# Altium PCB RevA2.PcbDoc (part 2 of 6)
Units mm, origin at the board's own origin, x right, y up, seen from the top; angles counter-clockwise.
Board outline 173 x 171 mm, 2 copper layers (Top Layer, Top, Bottom Layer, Bottom); 282 components, 411 nets, 1735 pads, 1978 vias.
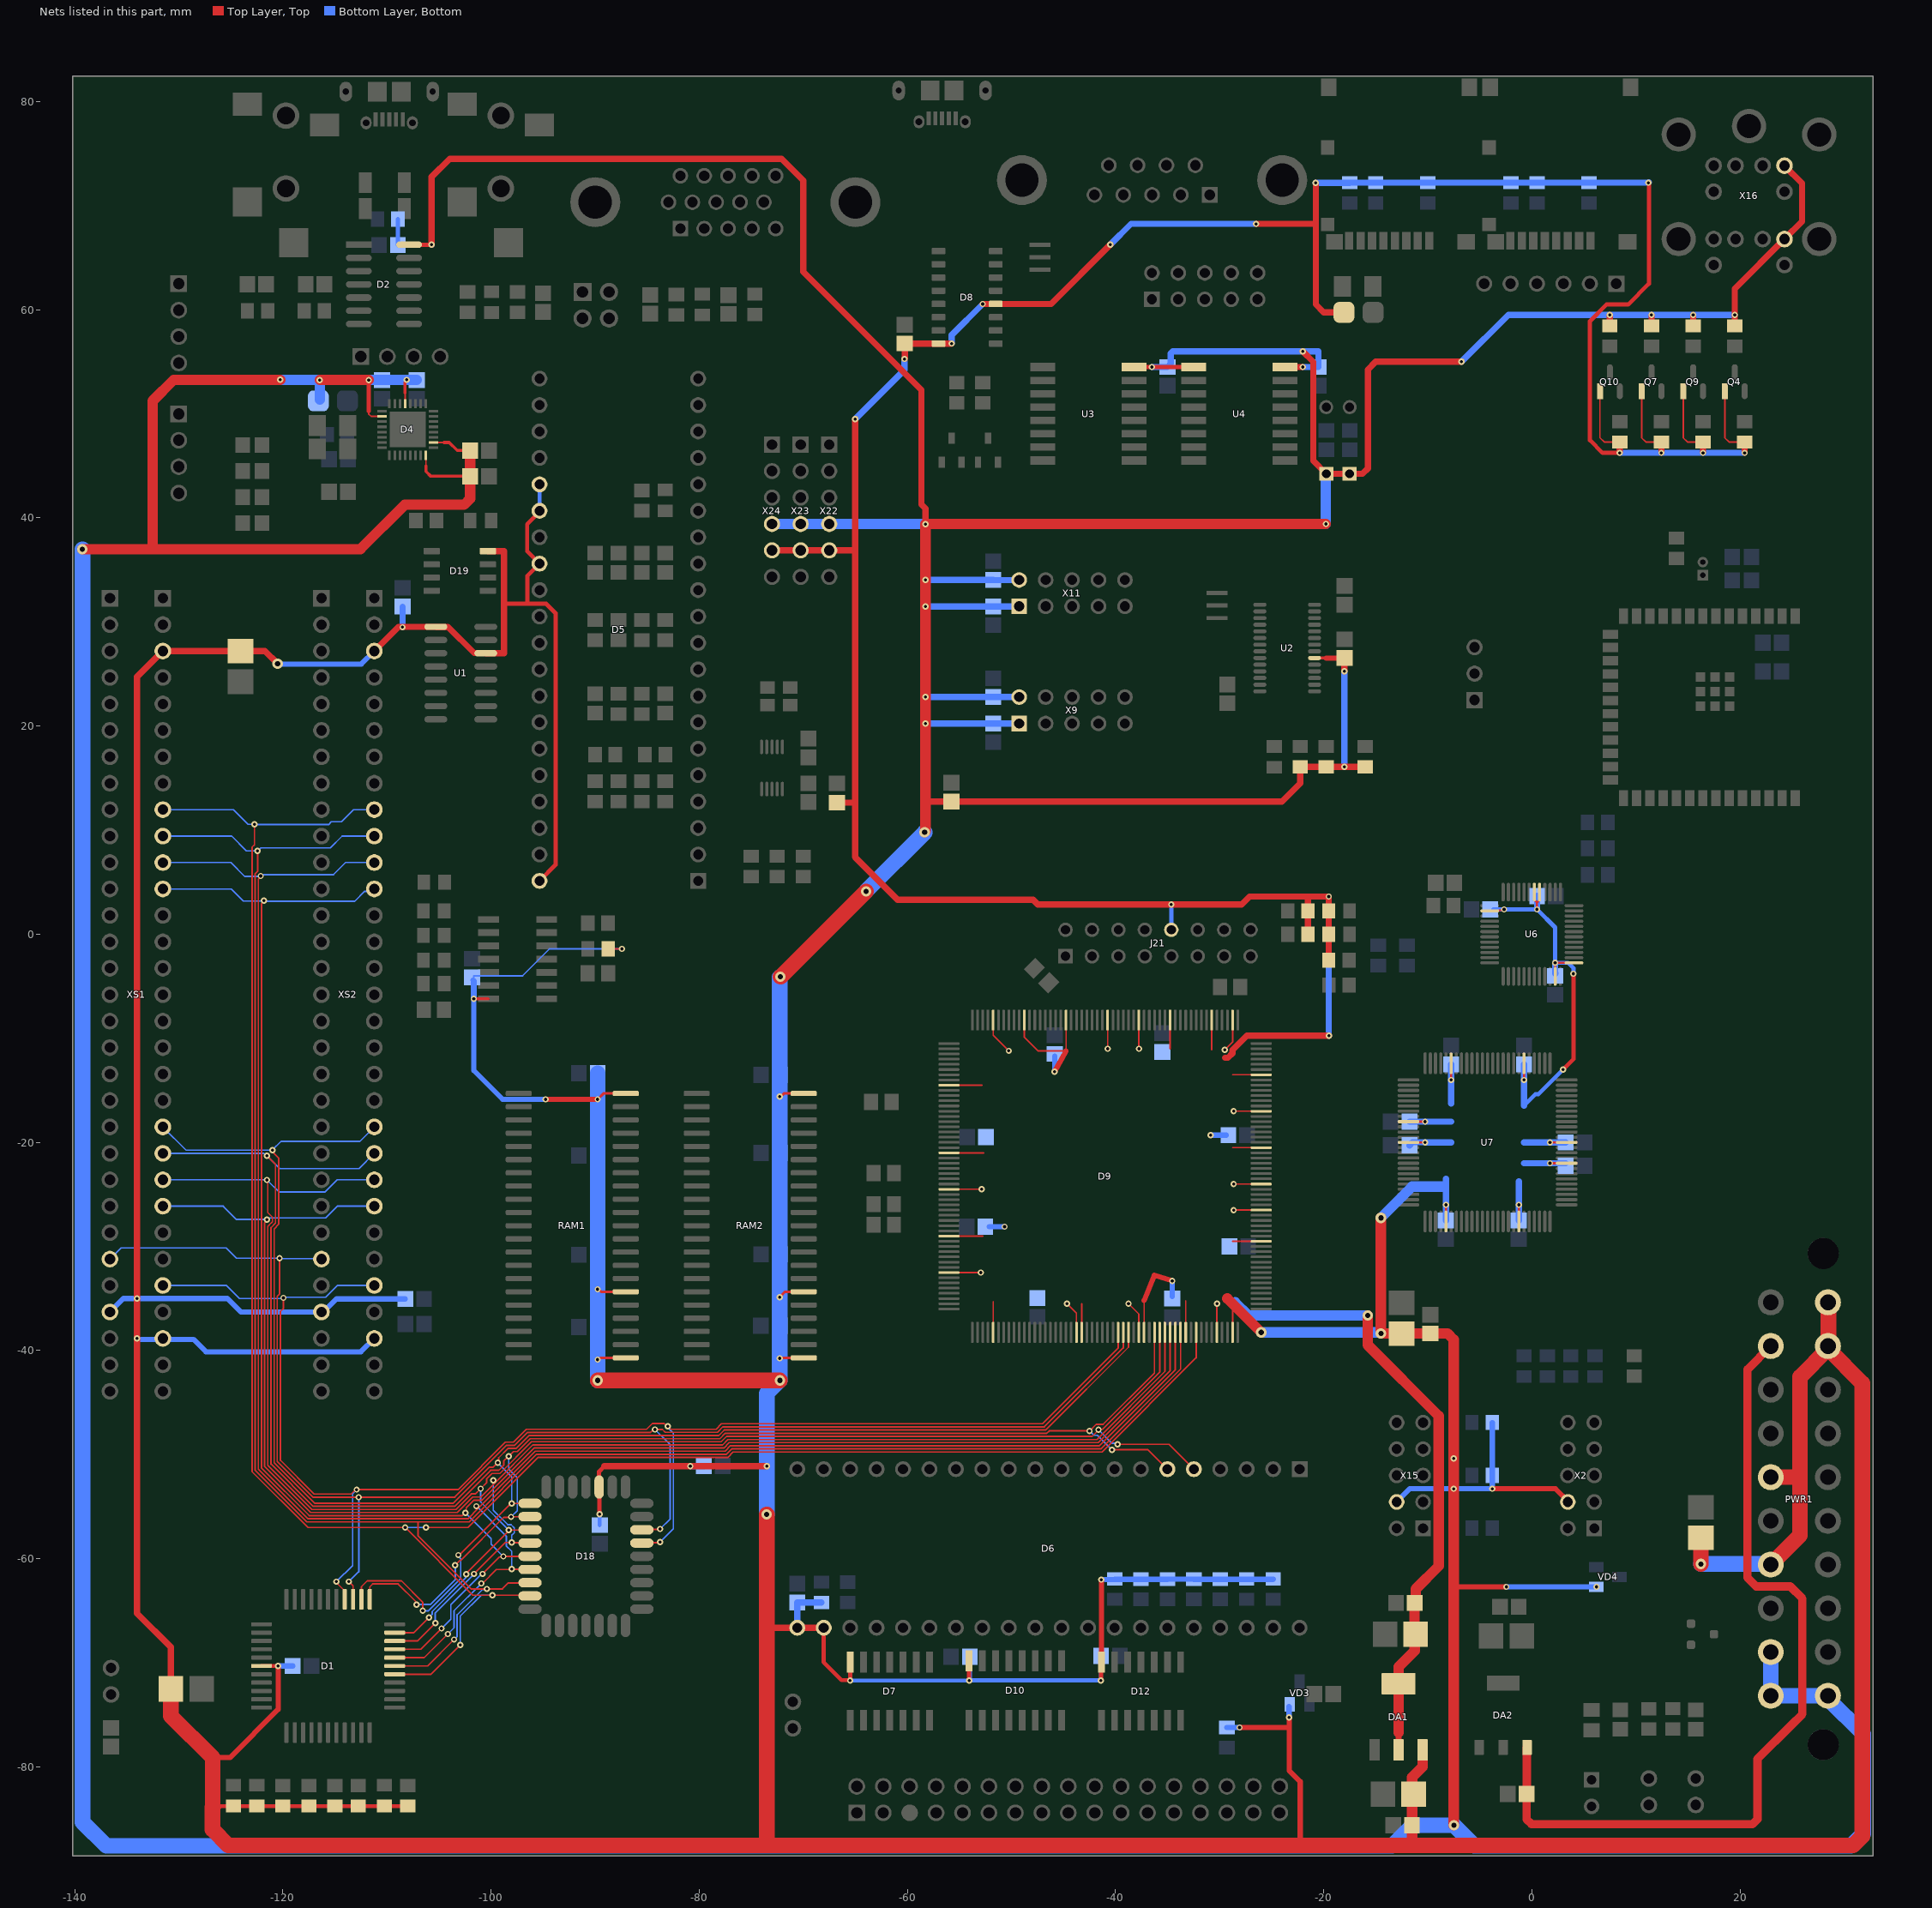
[diagram p2: the nets of this part, all layers, seen from the top]

## Footprints (in the part's own frame and the unit in brackets; to place one, negate y for a bottom-side part, rotate by r counter-clockwise, add the part's x,y. Pads: shape width x height; smd on the part's side, far side on the other; paste and mask are expansions set on the pad) (continued)
QFP44X8 [mm]
  rrect50% 2x0.4 smd: 1(0,0) 2(0,-0.8) 3(0,-1.6) 4(0,-2.4) 5(0,-3.2) 6(0,-4) 7(0,-4.8) 8(0,-5.6) 9(0,-6.4) 10(0,-7.2) 11(0,-8) 23(12.8,-8) 24(12.8,-7.2) 25(12.8,-6.4) 26(12.8,-5.6) 27(12.8,-4.8) 28(12.8,-4) 29(12.8,-3.2) 30(12.8,-2.4) 31(12.8,-1.6) 32(12.8,-0.8) 33(12.8,0)
  rrect50% 0.4x2 smd: 12(2.4,-10.4) 13(3.2,-10.4) 14(4,-10.4) 15(4.8,-10.4) 16(5.6,-10.4) 17(6.4,-10.4) 18(7.2,-10.4) 19(8,-10.4) 20(8.8,-10.4) 21(9.6,-10.4) 22(10.4,-10.4) 34(10.4,2.4) 35(9.6,2.4) 36(8.8,2.4) 37(8,2.4) 38(7.2,2.4) 39(6.4,2.4) 40(5.6,2.4) 41(4.8,2.4) 42(4,2.4) 43(3.2,2.4) 44(2.4,2.4)
  silkscreen extent 1.6,-8.8 11.2,0.8, body extent 0.4,-10 12.4,2, height 1.08
SJ-3524-SMT-TR [mm]
  rect 2.2x2.8 smd: 1(2.4,-6.7) 3(4.4,0.7)
  rect 2.8x2.8 smd: 2(11.8,-6.7) 4(15.7,-2.25)
  round 2.55 hole 1.7: 5(3.5,-3) 6(10.5,-3)
  silkscreen extent -2.5,-7.83 14.5,0, body extent -2.49,-7.5 16.51,1.5, height 5.13
SLAB-MSOP-10_L [mm] "SOP, 10-Leads, Body 3x3mm, Pitch 0.5mm, IPC High Density"
  oval 1.4x0.3 smd: 1(-2.025,1) 2(-2.025,0.5) 3(-2.025,0) 4(-2.025,-0.5) 5(-2.025,-1) 6(2.025,-1) 7(2.025,-0.5) 8(2.025,0) 9(2.025,0.5) 10(2.025,1)
  silkscreen extent -2.15,-1.5 0.92,1.83, body extent -1.5,-1.5 1.5,1.5, height 1.1
SLOT62_ZXSLOT(Primary) [mm]
  rect 1.6x1.6 hole 1: A1(0,0) B1(-5.08,0)
  round 1.6 hole 1: A2(0,-2.54) A3(0,-5.08) A4(0,-7.62) A5(0,-10.16) A6(0,-12.7) A7(0,-15.24) A8(0,-17.78) A9(0,-20.32) A10(0,-22.86) A11(0,-25.4) A12(0,-27.94) A13(0,-30.48) A14(0,-33.02) A15(0,-35.56) A16(0,-38.1) A17(0,-40.64) A18(0,-43.18) A19(0,-45.72) A20(0,-48.26) A21(0,-50.8) A22(0,-53.34) A23(0,-55.88) A24(0,-58.42) A25(0,-60.96) A26(0,-63.5) A27(0,-66.04) A28(0,-68.58) A29(0,-71.12) A30(0,-73.66) A31(0,-76.2) B2(-5.08,-2.54) B3(-5.08,-5.08) B4(-5.08,-7.62) B5(-5.08,-10.16) B6(-5.08,-12.7) B7(-5.08,-15.24) B8(-5.08,-17.78) B9(-5.08,-20.32) B10(-5.08,-22.86) B11(-5.08,-25.4) B12(-5.08,-27.94) B13(-5.08,-30.48) B14(-5.08,-33.02) B15(-5.08,-35.56) B16(-5.08,-38.1) B17(-5.08,-40.64) B18(-5.08,-43.18) B19(-5.08,-45.72) B20(-5.08,-48.26) B21(-5.08,-50.8) B22(-5.08,-53.34) B23(-5.08,-55.88) B24(-5.08,-58.42) B25(-5.08,-60.96) B26(-5.08,-63.5) B27(-5.08,-66.04) B28(-5.08,-68.58) B29(-5.08,-71.12) B30(-5.08,-73.66) B31(-5.08,-76.2)
  silkscreen extent -7.62,-81.28 2.54,5.08, body extent -7.29,-80.8 2.19,4.54, height 15.13
SMTC-TSW-106-07-X-S [mm] ".025 SQ Post Terminal Strip Assembly, 1x6 Pins, Vertical, 2.54mm Pitch, Male"
  rect 1.55x1.55 hole 1.02: 1(0,0)
  round 1.55 hole 1.02: 2(2.54,0) 3(5.08,0) 4(7.62,0) 5(10.16,0) 6(12.7,0)
  silkscreen extent -1.46,-1.27 14.16,1.27, body extent -1.27,-1.24 13.97,1.3, height 8.38
SO14 [mm]
  rect 2x0.65 smd: 1(0,0) 2(0,-1.27) 3(0,-2.54) 4(0,-3.81) 5(0,-5.08) 6(0,-6.35) 7(0,-7.62) 8(5.588,-7.62) 9(5.588,-6.35) 10(5.588,-5.08) 11(5.588,-3.81) 12(5.588,-2.54) 13(5.588,-1.27) 14(5.588,0)
  silkscreen extent 1.24,-8.28 4.34,0.72, body extent -0.2,-8.14 5.8,0.55, height 1.55
SO16 [mm]
  rect 2x0.65 smd: 1(0,0) 2(0,-1.27) 3(0,-2.54) 4(0,-3.81) 5(0,-5.08) 6(0,-6.35) 7(0,-7.62) 8(0,-8.89) 9(5.715,-8.89) 10(5.715,-7.62) 11(5.715,-6.35) 12(5.715,-5.08) 13(5.715,-3.81) 14(5.715,-2.54) 15(5.715,-1.27) 16(5.715,0)
  silkscreen extent 1.27,-9.53 4.45,0.64, body extent -0.11,-9.49 5.8,0.49, height 1.45
SOIC127P600X180-16N [mm]
  rrect25% 1.31x0.62 smd: 1(-2.75,4.445) 2(-2.75,3.175) 3(-2.75,1.905) 4(-2.75,0.635) 5(-2.75,-0.635) 6(-2.75,-1.905) 7(-2.75,-3.175) 8(-2.75,-4.445) 9(2.75,-4.445) 10(2.75,-3.175) 11(2.75,-1.905) 12(2.75,-0.635) 13(2.75,0.635) 14(2.75,1.905) 15(2.75,3.175) 16(2.75,4.445)
  silkscreen extent -2.85,-5 1.78,5.85, body extent -3,-5 3,5, height 1.8
SOJ42 [mm]
  rrect50% 2.5x0.5 smd: 1(0,0) 2(0,-1.27) 3(0,-2.54) 4(0,-3.81) 5(0,-5.08) 6(0,-6.35) 7(0,-7.62) 8(0,-8.89) 9(0,-10.16) 10(0,-11.43) 11(0,-12.7) 12(0,-13.97) 13(0,-15.24) 14(0,-16.51) 15(0,-17.78) 16(0,-19.05) 17(0,-20.32) 18(0,-21.59) 19(0,-22.86) 20(0,-24.13) 21(0,-25.4) 22(10.287,-25.4) 23(10.287,-24.13) 24(10.287,-22.86) 25(10.287,-21.59) 26(10.287,-20.32) 27(10.287,-19.05) 28(10.287,-17.78) 29(10.287,-16.51) 30(10.287,-15.24) 31(10.287,-13.97) 32(10.287,-12.7) 33(10.287,-11.43) 34(10.287,-10.16) 35(10.287,-8.89) 36(10.287,-7.62) 37(10.287,-6.35) 38(10.287,-5.08) 39(10.287,-3.81) 40(10.287,-2.54) 41(10.287,-1.27) 42(10.287,0)
  silkscreen extent 0.64,-26.67 9.53,1.27, body extent -0.44,-27 10.86,1.6, height 3.76
SOT-23 [mil]
  rrect50% 32x32 smd: 1(0,0) 2(80,0) 3(40,87)
  silkscreen extent -20,0 100,80, body extent -17,-7 97,87, height 47
ST-48_N [mm] "Thin QFP, 48-Leads, Body 7x7mm, Pitch 0.5mm, IPC Medium Density"
  oval 1.8x0.3 smd: 1(-4.05,2.75) 2(-4.05,2.25) 3(-4.05,1.75) 4(-4.05,1.25) 5(-4.05,0.75) 6(-4.05,0.25) 7(-4.05,-0.25) 8(-4.05,-0.75) 9(-4.05,-1.25) 10(-4.05,-1.75) 11(-4.05,-2.25) 12(-4.05,-2.75) 25(4.05,-2.75) 26(4.05,-2.25) 27(4.05,-1.75) 28(4.05,-1.25) 29(4.05,-0.75) 30(4.05,-0.25) 31(4.05,0.25) 32(4.05,0.75) 33(4.05,1.25) 34(4.05,1.75) 35(4.05,2.25) 36(4.05,2.75)
  oval 0.3x1.8 smd: 13(-2.75,-4.05) 14(-2.25,-4.05) 15(-1.75,-4.05) 16(-1.25,-4.05) 17(-0.75,-4.05) 18(-0.25,-4.05) 19(0.25,-4.05) 20(0.75,-4.05) 21(1.25,-4.05) 22(1.75,-4.05) 23(2.25,-4.05) 24(2.75,-4.05) 37(2.75,4.05) 38(2.25,4.05) 39(1.75,4.05) 40(1.25,4.05) 41(0.75,4.05) 42(0.25,4.05) 43(-0.25,4.05) 44(-0.75,4.05) 45(-1.25,4.05) 46(-1.75,4.05) 47(-2.25,4.05) 48(-2.75,4.05)
  silkscreen extent -4.17,-2.75 2.75,3.57
STM-DO-35-2 [mm] "THD, 2-Leads, Dia 1.765 mm, Body Length 3.775 mm"
  rect 1.35x1.35 hole 0.85: 1(-3.2,0)
  round 1.35 hole 0.85: 2(3.2,0)
  silkscreen extent -1.89,-0.88 1.89,0.88, body extent -1.89,-0.88 1.89,0.88, height 1.76
TI-D16_N [mm] "SOIC, 16-Leads, Body 9.9x3.9mm, Pitch 1.27mm, IPC Medium Density"
  oval 2.2x0.6 smd: 1(-2.4,4.445) 2(-2.4,3.175) 3(-2.4,1.905) 4(-2.4,0.635) 5(-2.4,-0.635) 6(-2.4,-1.905) 7(-2.4,-3.175) 8(-2.4,-4.445) 9(2.4,-4.445) 10(2.4,-3.175) 11(2.4,-1.905) 12(2.4,-0.635) 13(2.4,0.635) 14(2.4,1.905) 15(2.4,3.175) 16(2.4,4.445)
  silkscreen extent -2.52,-5 0.9,5.42, body extent -2,-5 2,5, height 1.75
TQFP100_M [mm] "Thin QFP, 100-Leads, Body 14x14mm, Pitch 0.5mm, IPC Low Density"
  oval 2.1x0.3 smd: 1(-7.6,6) 2(-7.6,5.5) 3(-7.6,5) 4(-7.6,4.5) 5(-7.6,4) 6(-7.6,3.5) 7(-7.6,3) 8(-7.6,2.5) 9(-7.6,2) 10(-7.6,1.5) 11(-7.6,1) 12(-7.6,0.5) 13(-7.6,0) 14(-7.6,-0.5) 15(-7.6,-1) 16(-7.6,-1.5) 17(-7.6,-2) 18(-7.6,-2.5) 19(-7.6,-3) 20(-7.6,-3.5) 21(-7.6,-4) 22(-7.6,-4.5) 23(-7.6,-5) 24(-7.6,-5.5) 25(-7.6,-6) 51(7.6,-6) 52(7.6,-5.5) 53(7.6,-5) 54(7.6,-4.5) 55(7.6,-4) 56(7.6,-3.5) 57(7.6,-3) 58(7.6,-2.5) 59(7.6,-2) 60(7.6,-1.5) 61(7.6,-1) 62(7.6,-0.5) 63(7.6,0) 64(7.6,0.5) 65(7.6,1) 66(7.6,1.5) 67(7.6,2) 68(7.6,2.5) 69(7.6,3) 70(7.6,3.5) 71(7.6,4) 72(7.6,4.5) 73(7.6,5) 74(7.6,5.5) 75(7.6,6)
  oval 0.3x2.1 smd: 26(-6,-7.6) 27(-5.5,-7.6) 28(-5,-7.6) 29(-4.5,-7.6) 30(-4,-7.6) 31(-3.5,-7.6) 32(-3,-7.6) 33(-2.5,-7.6) 34(-2,-7.6) 35(-1.5,-7.6) 36(-1,-7.6) 37(-0.5,-7.6) 38(0,-7.6) 39(0.5,-7.6) 40(1,-7.6) 41(1.5,-7.6) 42(2,-7.6) 43(2.5,-7.6) 44(3,-7.6) 45(3.5,-7.6) 46(4,-7.6) 47(4.5,-7.6) 48(5,-7.6) 49(5.5,-7.6) 50(6,-7.6) 76(6,7.6) 77(5.5,7.6) 78(5,7.6) 79(4.5,7.6) 80(4,7.6) 81(3.5,7.6) 82(3,7.6) 83(2.5,7.6) 84(2,7.6) 85(1.5,7.6) 86(1,7.6) 87(0.5,7.6) 88(0,7.6) 89(-0.5,7.6) 90(-1,7.6) 91(-1.5,7.6) 92(-2,7.6) 93(-2.5,7.6) 94(-3,7.6) 95(-3.5,7.6) 96(-4,7.6) 97(-4.5,7.6) 98(-5,7.6) 99(-5.5,7.6) 100(-6,7.6)
  silkscreen extent -7.73,-6.15 6.15,6.82, body extent -7,-7 7,7, height 1.6
TSOP64P600X160-28L [mm] "TSOP, 28-Leads, Body 9,90x3,90mm, Pitch 0,64mm, IPC High Density"
  oval 1.25x0.4 smd: 1(-2.625,4.16) 2(-2.625,3.52) 3(-2.625,2.88) 4(-2.625,2.24) 5(-2.625,1.6) 6(-2.625,0.96) 7(-2.625,0.32) 8(-2.625,-0.32) 9(-2.625,-0.96) 10(-2.625,-1.6) 11(-2.625,-2.24) 12(-2.625,-2.88) 13(-2.625,-3.52) 14(-2.625,-4.16) 15(2.625,-4.16) 16(2.625,-3.52) 17(2.625,-2.88) 18(2.625,-2.24) 19(2.625,-1.6) 20(2.625,-0.96) 21(2.625,-0.32) 22(2.625,0.32) 23(2.625,0.96) 24(2.625,1.6) 25(2.625,2.24) 26(2.625,2.88) 27(2.625,3.52) 28(2.625,4.16)
  silkscreen extent -2.75,-5 1.6,5.03, body extent -2,-5 2,5, height 1.6

## Part data
C1 C2: library part CMP-1036-02315-3, "CAP CER 220PF 50V X7R 0805", Capacitance="220 pF", Case/Package=0805, Manufacturer="Vishay Vitramon", Manufacturer Part Number=VJ0805A221KXAPW1BC, Category=Cap
C3 C15 C24 C25 C26 C27 C30 C32 C34 C37 C38 C39 C45 C46 C50 C51 C54 C58 C59 C62 C63 C64 C65 C66 C67 C68 C69 C70 C71 C72 C73 C74 C76 C77 C82 C83 C84 C85 C86 C87 C88 C89 C90 C91 C96 C97 C98 C99 C100 C101 C102 C103 C104 C105 C106 C107 C108 C114 C115: library part CMP-2100-03606-3, "CAP CER 0.1UF 50V X7R 0805", Capacitance="100 nF", Case/Package=0805, Manufacturer=Yageo, Category=Cap, Manufacturer Part Number=CC0805KRX7R9BB104
C4 C5 C6 C7 C8 C9 C13 C16 C18 C19 C20 C21 C55 C56: library part CMP-2007-03346-2, "Ceramic Capacitor for Automotive 1uF ±10% 25VDC X7R 0805 Embossed T/R", Capacitance=1uF, Case/Package=0805, Manufacturer=Murata, Category=Cap, Manufacturer Part Number=GCM21BR71E105KA56L, Termination=SMD/SMT
C10 C12: library part CMP-13271-001925-1, "CL21 Series 0805 1.5pF 50V ±0.25pF Tolerance C0G Multilayer Ceramic Chip Capacitor", Capacitance=1.5pF, Case/Package=0805, Manufacturer=Samsung, Category=Cap, Manufacturer Part Number=CL21C1R5CBANNNC
C11 C14 C48 C49 C53 C57 C61: library part CMP-2100-03689-1, "Standard Tantalum, 22 uF, +/- 10%, 16 V, -55 to 125 degC, 2-Pin SMD (1210), RoHS, Tape and Reel", Capacitance=22uF, Case/Package=1210, Manufacturer="Kyocera AVX", Category=Cap, Manufacturer Part Number=TAJB226K016RNJ, Number of Pins=2, Termination=SMD/SMT
C17 C22 C33: library part CMP-1662-00011-2, "Chip Capacitor, 100 uF, +/- 20%, 6.3 V, -55 to 85 degC, 1206 (3216 Metric), RoHS, Tape and Reel", Capacitance="100 uF", Case/Package=1206, Manufacturer=Murata, Category=Cap, Manufacturer Part Number=GRM31CR60J107ME39L, PackageDescription="2-Pin Surface Mount Device, Body 3.2 x 1.6 mm", PartNumber=GRM31CR60J107ME39L
C23 C28 C29 C31 C35 C36 C92 C93 C94 C95 C113: library part CMP-2007-03243-2, "CAP CER 10UF 10V X5R 0805", Capacitance=10uF, Case/Package=0805, Manufacturer=KEMET, Category=Cap, Manufacturer Part Number=C0805C106K8PACTU
CD1 CD2: library part CMP-2000-05248-1, "Micro SD Memory Card Connector, 0.5 A, 10 V (DC), -25 to 85 degC, 8-Pin SMT, RoHS, Tape and Reel", Case/Package="Micro SD (molex 5027740891 )", Manufacturer=Molex, Manufacturer Part Number=5027740891, Category=Connector
D1: Case/Package=QFP-44, Category=IC
D2: library part CMP-1615-00195-3, "IC INVERTER 6CH 6-INP 14SOIC", Case/Package=SOIC, Manufacturer="Texas Instruments", Category=IC, Manufacturer Part Number=CD4069UBM, Number of Pins=14
D3 D7 D12: Case/Package=SOIC-14, Category=IC
D4: "Stereo CODEC with 1W Stereo Class-D speaker Drivers", Case/Package=QNF-32, Category=IC
D5 D6: Case/Package=DIP-40, Category=IC
D8: "USB Interface Integrated Circuit", Case/Package=SOIC-16, Category=IC
D9: Case/Package=PQFP-208, Category=IC
D10: Case/Package=SOIC-16, Category=IC
D11: library part CMP-0510-00012-1, "I2C-Programmable Any-Frequency CMOS Clock Generator + VCXO, 2.5 / 3.3 V, 0.008 to 160 MHz Output, -40 to 85 degC, 10-pin SOP", Case/Package=MSOP-10, Manufacturer="Silicon Labs", Manufacturer Part Number=SI5351A-B-GT, Category=IC, PackageDescription="10-Pin Mini Small Outline Package, Body 3 x 3 mm, Pitch 0.5 mm", PartNumber=Si5351A-B-GT
D15 D16: library part CMP-2000-05926-1, "Small Signal Schottky Diode, 150 mA, 100 V, -65 to 125 degC, 2-Pin DO-35, RoHS, Tape and Reel", Manufacturer=STMicroelectronics, Category=Diode, Manufacturer Part Number=BAT46
D17: "2.4 GHz Wi­Fi (802.11 b/g/n) and Bluetooth® 5 (LE) module / Built around ESP32­S3 series of SoCs, Xtensa® dual­core 32­bit LX7 microprocessor / Flash up to 16 MB, PSRAM up to 8 MB / 36 GPIOs, rich set of peripherals / Onboard PCB antenna or external antenna connector", Case/Package=ESP32-S3, Category=IC
D18: library part CMP-0378-00006-1, "4 Mbit Multi-Purpose Flash, 4.5 to 5.5 V, 1 kHz, 0 to 70 degC, 32-pin PLCC (NH32), Tube", Case/Package=PLCC-32, Manufacturer=Microchip, Category=IC, Manufacturer Part Number=SST39SF040-70-4C-NHE, PackageDescription="32-lead Plastic Lead Chip Carrier, 11.43 x 13.97 mm Body, 1.27 mm Pitch", PartNumber=SST39SF040-70-4C-NHE
D19: library part CMP-1685-00009-2, "IC OPAMP GP 2 CIRCUIT 8SOIC", Case/Package=SOIC, Manufacturer="Texas Instruments", Category=IC, Manufacturer Part Number=LM358DR, Number of Pins=8
DA1: library part CMP-0062-01660-4, "800mA Low-Dropout Linear Regulator, 4-pin SOT-223, Pb-Free", Case/Package=SOT-223, Manufacturer="TI National Semiconductor", Category=IC, Manufacturer Part Number=LM1117MP-2.5/NOPB, PackageDescription="Molded SOT-223, 6.50 x 3.56 x 1.6mm Body, 4 Lead, 2.3mm Pitch", PartNumber=LM1117MP-2.5/NOPB
DA2: library part CMP-0062-01638-4, "800mA Low-Dropout Linear Regulator, 4-pin SOT-223, Pb-Free", Case/Package=SOT-223, Manufacturer="TI National Semiconductor", Category=IC, Manufacturer Part Number=LM1117MP-3.3/NOPB, PackageDescription="Molded SOT-223, 6.50 x 3.56 x 1.6mm Body, 4 Lead, 2.3mm Pitch", PartNumber=LM1117MP-3.3/NOPB
FB4: library part CMP-0686-00643-3, "Chip Ferrite Bead, 0805, 600Ω @ 100MHz, 0.2Ω, 25%, 700mA", Case/Package=0805, Manufacturer=Murata, Category=Inductor, Manufacturer Part Number=BLM21AG601SN1J, Number of Pins=2, Termination=Flat
J1 J2 J3 J4: "HLT->~IP", Case/Package=PLS-2, Category=Connector
J5 X4: "Connector", Case/Package="Stereo jack smd", Category=Connector
J21: library part CMP-03369-000064-1, "CONN HEADER VERT 16POS 2.54MM", Case/Package=PLD-16, Manufacturer="TE Connectivity", Category=Connector, Manufacturer Part Number=87227-8, Pitch=2.54mm
L1 L4: Case/Package=0805, Category=Inductor
P1 X5 X6: library part CMP-1502-01064-1, "THT Vertical Pin Header WR-PHD, Pitch 2.54 mm, Single Row, 4 pins", Case/Package=PLS-4, Manufacturer="Wurth Electronics", Category=Connector, Manufacturer Part Number=61300411121, Pitch=2.54mm
PWR1: Case/Package="Mini-Fit 20 PIN 5.2", Analogs=MF-20MA;N42GP-20, Category=Connector
Q1 Q3: library part CMP-2000-06123-1, "Ceramic Resonator, 12 MHz, +/- 0.5%, -40 to 125 degC, 3-Pin SMD, RoHS, Tape and Reel", Capacitance=33pF, Manufacturer=Murata, Category=CrystalsandOscillators, Manufacturer Part Number=CSTCE12M0G55Z-R0
Q2: library part CMP-27762-000021-1, "CRYSTAL 25.0000MHZ 10PF SMD", Case/Package=SMD/SMT, Manufacturer=Abracon, Manufacturer Part Number=ABM8G-25.000MHZ-B4Y-T, Category=CrystalsandOscillators, Number of Pins=4, Termination=SMD/SMT
Q4 Q7 Q9 Q10: library part CMP-07173-000101-1, "MOSFET N-CH 50V 220MA SOT-23", Case/Package=SOT-23, Manufacturer="ON Semiconductor / Fairchild", Category=Transistor, Manufacturer Part Number=BSS138, Number of Pins=3, Termination=SMD/SMT
Q5 Q6: library part CMP-1177-00027-1, "NPN Silicon AF Transistor, 45 V VCEO, 500 mA IC, SOT23, Reel, Green", Case/Package=SOT-23, Manufacturer=Infineon, Category=Transistor, Manufacturer Part Number=BC817K-25, PackageDescription="3-Pin Small Outline Transistor Package, 1.3 x 2.9 mm Body, 0.95 mm Pitch", PartNumber=BC817K-25
Q8: library part CMP-1326-00001-1, "Low Frequency Cylindrical Watch Crystal, 32.768 kHz, -20 to 70 degC, 2-Pin 5 x 1.4 x 1.5 mm THD, RoHS, Bulk", Manufacturer=Abracon, Category=CrystalsandOscillators, Manufacturer Part Number=AB15T-32.768KHZ, PackageDescription="2-Pin THD, Body 5 x 1.4 mm, Pin Spacing 0.45 mm", PartNumber=AB15T-32.768KHZ
R1 R2 R7 R9 R10 R11 R12 R13 R15 R34 R98 R99 R104 R105: library part CMP-03412-000082-1, "RES SMD 680 OHM 1% 1/8W 0805", Case/Package=0805, Manufacturer=Yageo, Resistance=680Ω, Category=Res, Manufacturer Part Number=RT0805FRE07680RL
R3 R4 R5 R6 R8 R20 R37 R43 R45 R53 R54 R58 R59 R61 R62 R63 R65 R66 R67 R68 R69 R70 R75 R76 R77 R78 R79 R80 R81 R82 R84 R85 R92 R93 R94 R95 R96 R97: library part CMP-07231-003873-1, "Thick Film Chip Resistors 0805 10kΩ 0.125W 5% 200ppm/°C", Case/Package=0805, Manufacturer=Bourns, Resistance=10kR, Category=Res, Manufacturer Part Number=CR0805-JW-103ELF, Number of Pins=2, Number of Terminations=2, Termination=SMD/SMT
R14 R16 R33: library part CMP-02407-008731-1, "RES Thick Film, 47kΩ, 1%, 0.5W, 100ppm/°C, 0805", Case/Package=0805, Manufacturer=Vishay, Resistance=47kR, Category=Res, Manufacturer Part Number=CRCW080547K0FKEAHP, Number of Terminations=2, Termination=SMD/SMT
R17 R18 R39 R40 R41 R42 R49 R60 R74: library part CMP-2001-03561-2, "51Ω ±0.5% 0.1W 1/10W Chip Resistor 0805 (2012 Metric) Thin Film", Case/Package=0805, Manufacturer=Susumu, Resistance=51Ω, Category=Res, Manufacturer Part Number=RR1220Q-510-D, Number of Pins=2, Number of Terminations=2, Termination=SMD/SMT
R19 R38 R44 R46 R55 R56 R57 R83 R103: library part CMP-02407-004529-1, "RES Thick Film, 1kΩ, 1%, 0.5W, 100ppm/°C, 0805", Case/Package=0805, Manufacturer="Vishay Dale", Resistance=1kR, Category=Res, Manufacturer Part Number=CRCW08051K00FKEAHP, Number of Pins=2, Termination=Solder
R21 R23 R24 R25 R26 R27 R28 R29 R30 R31 R32 R100 R101: library part CMP-03211-008328-1, "SMD Chip Resistor, Thin Film, 15KΩ, 100 V, 0805 [2012 Metric], 100 mW, 0.1%, RN73 Series", Case/Package=0805, Manufacturer="TE Connectivity", Resistance=15KΩ, Category=Res, Manufacturer Part Number=RN73C2A15KBTDF
R22 R51 R52 R102: library part CMP-03412-025935-1, "RES SMD 3.3K OHM 1% 1/8W 0805", Case/Package=0805, Manufacturer=Yageo, Resistance=3.3KΩ, Category=Res, Manufacturer Part Number=RT0805FRE073K3L
R35: library part CMP-07231-003724-1, "Thick Film Chip Resistors 0805 2.2kΩ 0.125W 5% 200ppm/°C", Case/Package=0805, Manufacturer=Bourns, Resistance=2.2kR, Category=Res, Manufacturer Part Number=CR0805-JW-222ELF, Number of Terminations=2, Termination=SMD/SMT
R36: library part CMP-2001-04496-2, "RES SMD 2.7K OHM 1% 1/8W 0805", Case/Package=0805, Manufacturer=Yageo, Resistance=2.7KΩ, Category=Res, Manufacturer Part Number=AC0805FR-072K7L
R47 R48 R50: library part CMP-07231-004348-1, "Thick Film Chip Resistors 0805 0Ω 0.125W 5%", Case/Package=0805, Manufacturer=Bourns, Resistance=0mR, Category=Res, Manufacturer Part Number=CR0805-J/-000ELF, Number of Pins=2, Termination=SMD/SMT
R64: library part CMP-08839-004390-1, "Thick Film Chip Resistor, 0805, 1kΩ, 5%, 200ppm/°C, 0.125W, 150V", Case/Package=0805, Manufacturer=Rohm, Resistance=1kR, Category=Res, Manufacturer Part Number=MCR10ERTJ102, Number of Terminations=2
R71 R72 R73: library part CMP-07231-004713-1, "Thick Film Chip Resistors 0805 4.7kΩ 0.125W 5% 200ppm/°C", Case/Package=0805, Manufacturer=Bourns, Resistance=4.7kR, Category=Res, Manufacturer Part Number=CR0805-JW-472ELF, Number of Terminations=2, Termination=SMD/SMT
R86 R87 R88: library part CMP-03211-006560-1, "SMD Chip Resistor, Thin Film, 75Ω, 100 V, 0805 [2012 Metric], 100 mW, 0.1%, RN73 Series", Case/Package=0805, Manufacturer="TE Connectivity", Resistance=75Ω, Category=Res, Manufacturer Part Number=RN73C2A75RBTDF
R89: library part CMP-02407-005666-1, "RES Thick Film, 560Ω, 1%, 0.5W, 100ppm/°C, 0805", Case/Package=0805, Manufacturer=Vishay, Manufacturer Part Number=CRCW0805560RFKEAHP, Resistance=530R, Category=Res, Number of Terminations=2, Termination=Wraparound
R90 R91: library part CMP-03211-002331-1, "SMD Chip Resistor, Thin Film, 150Ω, 100 V, 0805 [2012 Metric], 100 mW, 0.1%, RN73 Series", Case/Package=0805, Manufacturer="TE Connectivity", Resistance=150Ω, Category=Res, Manufacturer Part Number=RN73C2A150RBTDF
R106: library part CMP-26527-001097-1, "33kΩ ±5% 0.125W 0805 Thick Film Chip Resistor AEC-Q200 compliant", Case/Package=0805, Manufacturer="Stackpole Electronics", Resistance=33kR, Category=Res, Manufacturer Part Number=RMCF0805JT33K0, Number of Terminations=2
RAM1 RAM2: Case/Package=SOJ-42, Category=IC
U1: library part CMP-0004-00046-1, "8-Bit, 0.1 us MDAC, Parallel Input, Fast Control Signalling for DSP, Easy Micro Interface, 0 to 70 degC, 16-pin SOIC (D16), Green (RoHS & no Sb/Br)", Case/Package=SOIC-16, Manufacturer="Texas Instruments", Category=IC, Manufacturer Part Number=TLC7524CD, PackageDescription="16-Pin Plastic Small Outline, Body 9.9 x 3.9 mm, Pitch 1.27 mm", PartNumber=TLC7524CD
U2: "USB 2.0 HIGH SPEED 4-PORT HUB CONTROLLER", Case/Package=SSOP-28, Manufacturer="Terminus Technology Inc", Category=IC
U3 U4: library part CMP-10112-000010-1, "IC I/O EXPANDER I2C 8B 16SOIC", Case/Package=SOT162-1, Manufacturer="NXP Semiconductors", Category=IC, Manufacturer Part Number=PCF8574T/3,518
U6: library part CMP-0318-00718-2, "3 Channel 8-Bit CMOS High Speed Video Digital-to-Analog Converter, -40 to +85 degC, ST-48, Pb-Free, Tray", Case/Package=TQFP-48, Manufacturer="Analog Devices", Category=IC, Manufacturer Part Number=ADV7125KSTZ140, PackageDescription="48-Pin Thin Quad Flat Pack 0.5 mm Pitch", PartNumber=ADV7125KSTZ140
U7: library part CMP-0144-00216-1, "MAX II 3.3/2.5V CPLD, 80 IOs, 240 Logic Elements, 100-Pin Plastic TQFP, Commercial Temperature, Speed Grade 5", Case/Package=TQFP-100, Manufacturer="Intel Altera", Category=IC, Manufacturer Part Number=EPM240T100C5, PackageDescription="100-Pin Plastic Thin Quad Flat Pack (TQFP100) - Wire Bond"
VD1 VD2: library part CMP-02540-000025-1, "DIODE GEN PURP 75V 150MA SOD80", Capacitance=4pF, Case/Package=SOD80, Manufacturer=Vishay, Category=Diode, Manufacturer Part Number=LS4148-GS08
VD3 VD4: library part CMP-07162-000010-1, "DIODE ARRAY SCHOTTKY 30V SOT23-3", Capacitance=10pF, Case/Package=SOT-23, Manufacturer="ON Semiconductor / Fairchild", Category=Diode, Manufacturer Part Number=BAT54C
VD5: "Light Emitting Diode", Category=Diode
VT1: Case/Package=SOT-23, Category=Transistor
X2 X9 X11 X14 X15: library part CMP-2000-06794-1, "Male Header, Pitch 2.54 mm, 2 x 5 Postion, Height 9.91 mm, Tail Length 2.84 mm, -55 to 105 degC, RoHS, Bulk", Case/Package=IDC-10, Manufacturer=3M, PartNumber=N2510, Category=Connector, Manufacturer Part Number=N2510-6002RB, Pitch=2.54mm
X3 X12: library part CMP-2000-05610-1, "Right Angle Female Type AB Micro USB Connector, 30 V, 1.8 A, -30 to 85 degC, RoHS, Tape and Reel", Case/Package="Micro USB  (molex 47589-0001)", Manufacturer=Molex, Category=Connector, Manufacturer Part Number=47589-0001
X7: library part CMP-1502-00216-1, "Female High Density PCB Connector with Hex Screw WR-DSUB, Angled, 15 pins", Case/Package=DSUB-15, Manufacturer="Wurth Electronics", Category=Connector, Manufacturer Part Number=618015330923
X8: Case/Package=PLD-4, Category=Connector
X10: Case/Package=IDC-34, Category=Connector
X13: library part CMP-1502-00284-1, "Male PCB Connector with Hex Screw WR-DSUB, 8.08 mm, Angled, 9 pins", Case/Package=DSUB-9, Manufacturer="Wurth Electronics", Category=Connector, Manufacturer Part Number=618009231221
X16: Case/Package="Stacked Mini DIN", Category=Connector
X17: library part CMP-1676-00001-5, "Male Header, Pitch 2.54 mm, 1 x 3 Position, Height 8.38 mm, Tail Length 3.18 mm, RoHS, Bulk", Case/Package=PLS-3, Manufacturer=Molex, Category=Connector, Manufacturer Part Number=22-28-4033, PackageDescription="Male Header, Pitch 2.54 mm, 1 x 3 Position, Height 8.38 mm, Tail Length 3.18 mm"
X22 X23 X24 X25: library part CMP-1024-00383-1, "0.025\" SQ Post Header, Through-hole, Vertical, -55 to 125 degC, 2.54 mm Pitch, 6-Pin, Male, RoHS", Case/Package=PLS-6, Manufacturer=Samtec, Category=Connector, Manufacturer Part Number=TSW-106-07-G-S, PackageDescription=".025[0.64] SQ. Post Terminal Strip Assembly", PartNumber=TSW-106-07-G-S, Pitch="2.54 mm"
XS1 XS2: Case/Package=SL62, Category=Connector

## Via types
v1: diameter 0.6, hole 0.3, Top Layer, Top to Bottom Layer, Bottom, tented both sides, 1916 vias
v2: diameter 0.6, hole 0.3, Top Layer, Top to Bottom Layer, Bottom, tented bottom, 23 vias
v3: diameter 1, hole 0.5, Top Layer, Top to Bottom Layer, Bottom, tented both sides, 20 vias
v4: diameter 0.6, hole 0.3, Top Layer, Top to Bottom Layer, Bottom, 10 vias
v5: diameter 5.5, hole 3.96, Top Layer, Top to Bottom Layer, Bottom, 6 vias
v6: diameter 1, hole 0.5, Top Layer, Top to Bottom Layer, Bottom, 3 vias
